# Altium PCB Copy of PCB1.PcbDoc (part 2 of 2)
Units mil, origin at the board's own origin, x right, y up, seen from the top; angles counter-clockwise.
Board outline 3937.01 x 1968.5 mil, 4 copper layers (Top Layer, Layer 1, Layer 2, Bottom Layer), stack 63.78 mil thick; 235 components, 132 nets, 1060 pads, 9 vias.
Unrouted connection lines stored in the file: 147.
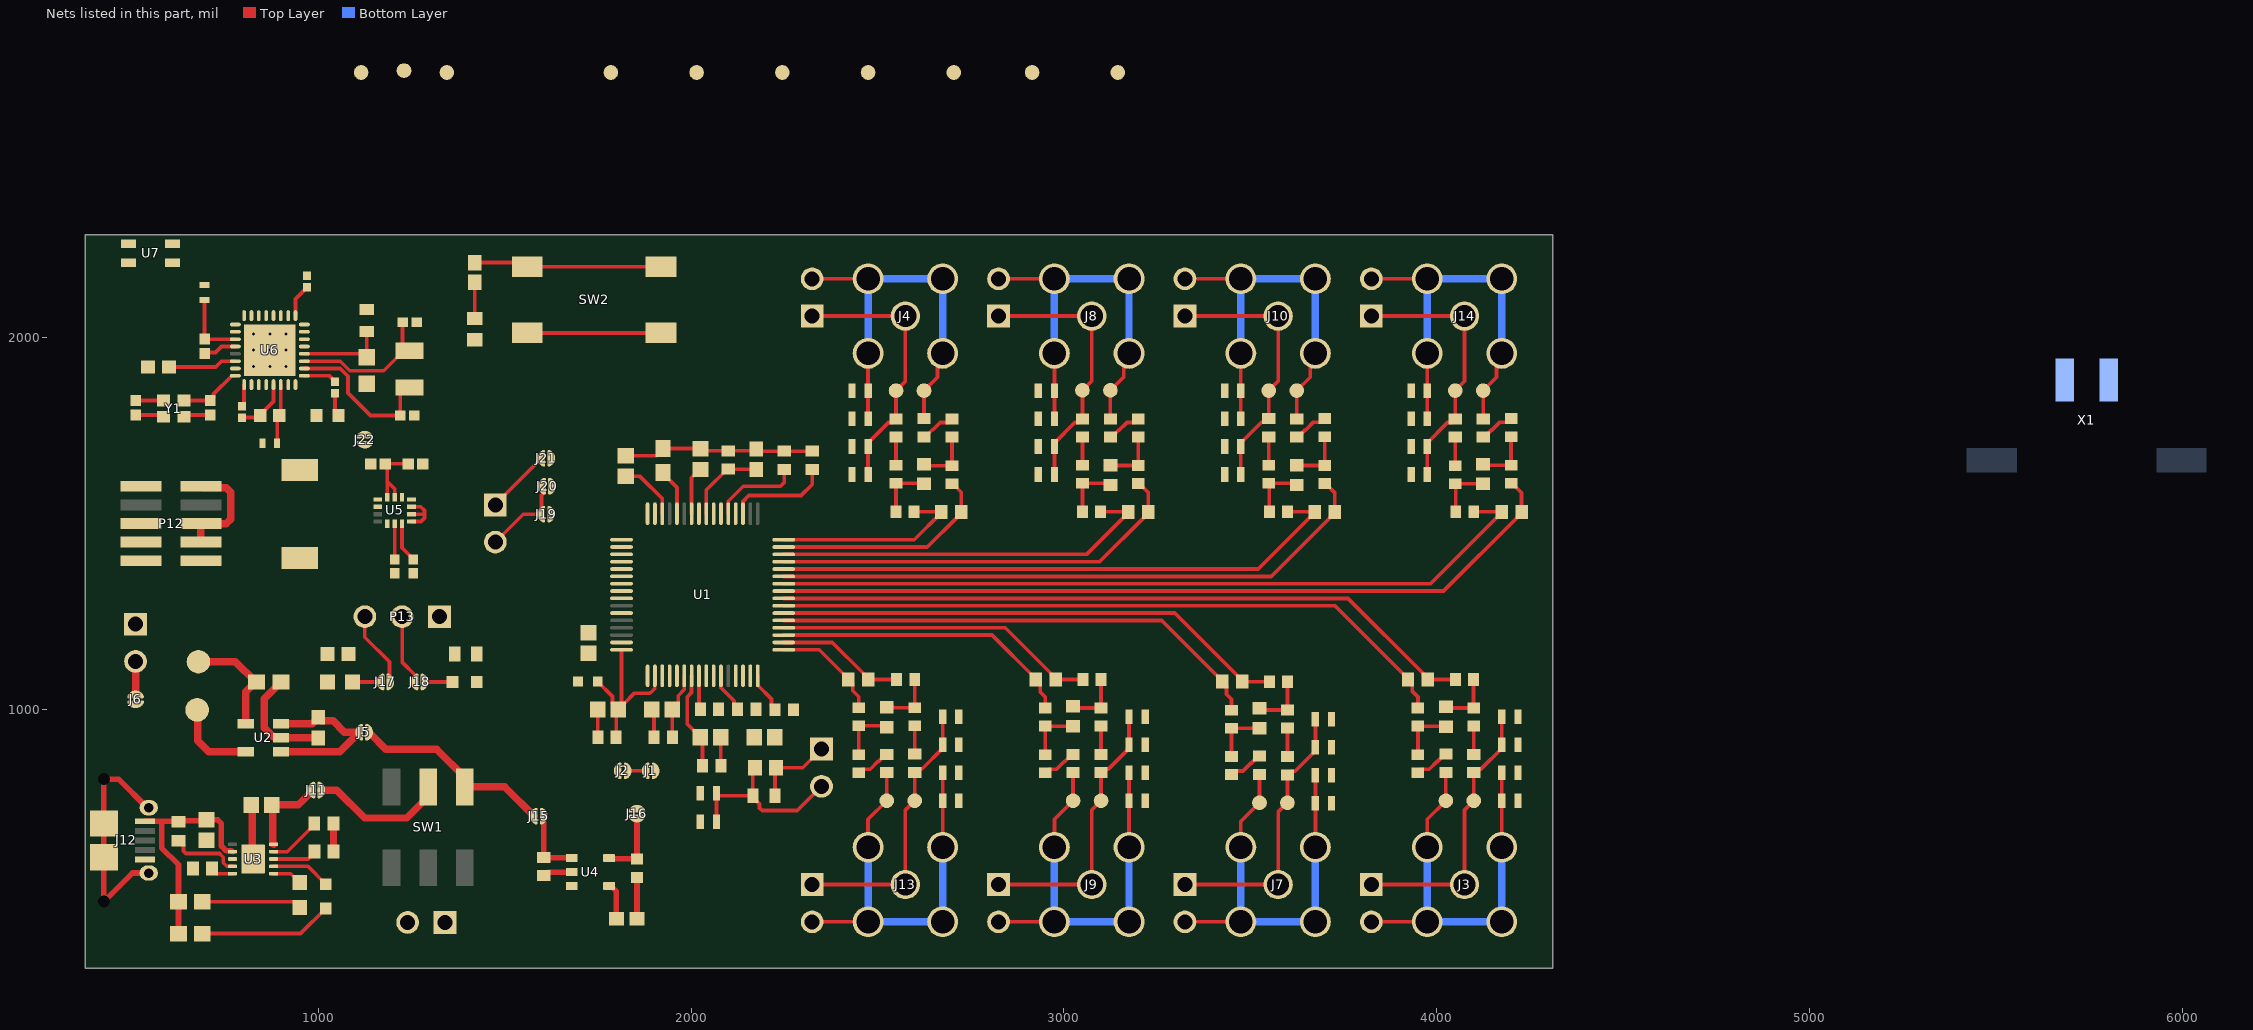
[diagram p2: the nets of this part, all layers, seen from the top]

## Part data (continued)
L3: library part CMP-06042-004948-1, "Wire Wound RF Inductor for Automotive 15nH ±5% 1150mA 0.114Ω 0402 (1005)", Case Code (Imperial)=0402, Case Code (Metric)=1005, Current Rating=1.15A, DC Resistance (DCR)=114mR, Max Operating Temperature=125°C, Min Operating Temperature=-55°C, Ratings=AEC-Q200, Resistor Type=Wirewound, Self Resonant Frequency=5.5GHz, Test Frequency=100MHz, Tolerance=5%, Case/Package=0402, Core Material=Non-Magnetic, Inductance=15nH, Mount="Surface Mount", Packaging="Cut Tape", Shielding=Unshielded
L4: library part CMP-2000-07145-1, "Shielded Power Inductor, 10 uH, +/- 20%, -40 to 125 degC, 2-Pin SMD, RoHS, Tape and Reel", Current - Saturation=1.5A, Current Rating=1.1A, DC Resistance (DCR)=120mOhmMax, Frequency - Self Resonant=25MHz, Frequency - Test=1kHz, Inductance=10µH, Manufacturer=Bourns, Operating Temperature=-40°C~125°C, Package / Case=Nonstandard, Package Description="2-Pin Surface Mount Device, Body 6.5 x 6.5 mm", Package Reference=SRR00603, Q @ Freq=16@2.52MHz, Standard Package=1,000, Tolerance=±20%, 3D Model=SRR0603.stp, Category=Inductors,Coils,Chokes, Datasheet URL=http://www.bourns.com/docs/Product-Datasheets/SRR0603.pdf, Datasheet Version=09/2011, EDA / CAD Models=DownloadfromAcceleratedDesigns, Family=FixedInductors, Height - Seated (Max)="0.130\"(3.30mm)", Manufacturer URL=http://www.bourns.com/, Material - Core=Ferrite, Mounting Technology=SurfaceMount, Mounting Type=SurfaceMount, Online Catalog=SRRSeries, Other Names="SRR0603-100MLTR / SRR0603100ML", Packaging=Tape&Reel(TR), PCN Assembly/Origin=MagneticproductsOct/2013, Product Training Modules=MagneticProductOverview, RoHS Information=SRR0603SeriesMaterialDeclaration, Series=SRR0603, Shielding=Shielded, Size / Dimension="0.256\"Lx0.256\"W(6.50mmx6.50mm)", Type=Wirewound
P1 P2 P3 P4 P5 P6 P7 P8 P9 P10 P11: library part CMP-1681-00004-4, "Male Header, Pitch 2.54 mm, 1 x 2 Position, Height 8.38 mm, Tail Length 2.54 mm, -55 to 125 degC, RoHS, Bulk", Colour=Black, Manufacturer=Samtec, Max Operating Temperature="125 degC", Min Operating Temperature="-55 degC", Package Quantity=1, ComponentLink1Description="Manufacturer URL", ComponentLink1URL=http://www.samtec.com/, ComponentLink2Description=Datasheet, ComponentLink2URL=http://suddendocs.samtec.com/catalog_english/tsw_th.pdf, Contact Finish=Gold, Contact Material=Bronze, Contact Plating=Gold, DatasheetVersion=12/2015, Height="8.38 mm", Lead Pitch="0.1 inch", Length="5.08 mm", Mount="Through Hole", Mounting Technology="Through Hole", PackageDescription="Male Header, Pitch 2.54 mm, 1 x 2 Position, Height 8.38 mm, Tail Length 2.54 mm", PackageReference=TSW-102-07-S-S, Packaging=Bulk, Pins=2, REACH SVHC="No SVHC", RoHSCompliant=true, Rows=1
P12: library part CMP-2000-05352-1, "Male Header, Pitch 1.27 mm, 2 x 5 Position, Height 6.12 mm, RoHS, Tube", Color=Black, Manufacturer=Samtec, Package Description="Male Header, Pitch 1.27 mm, 2 x 5 Position, Height 5.97 mm, Tail Length 4.32 mm", Package Reference=FTSH-105-01-L-DV-K, Category=Connectors,Interconnects, Connector Type=Header,Shrouded, Contact Finish=Gold, Contact Finish Thickness=3µin(0.08µm), Contact Mating Length="0.120\"(3.05mm)", Contact Type=MalePin, Datasheet URL=http://suddendocs.samtec.com/prints/ftsh-1xx-xx-xxx-dv-xxx-mkt.pdf, Datasheet Version="Rev. ET, 10/1995", Family=RectangularConnectors-Headers,MalePins, Fastening Type=-, Features=-, Manufacturer URL=http://www.samtec.com/, Mounting Type=SurfaceMount, Number of Positions=10, Number of Positions Loaded=All, Number of Rows=2, Package URL=http://suddendocs.samtec.com/prints/ftsh-1xx-xx-xxx-dv-xxx-footprint.pdf, Packaging=Tube, Pitch="0.050\"(1.27mm)", Row Spacing="0.050\"(1.27mm)", Series=FTSH, Termination=Solder
P13: library part CMP-1024-00332-1, "0.025\" SQ Post Header, Through-hole, Vertical, -55 to 105 degC, 2.54 mm Pitch, 3-Pin, Male, RoHS", Manufacturer=Samtec, PartNumber=TSW-103-07-T-S, Temperature Range="-55 to 105 degC", ComponentLink1Description="Manufacturer URL", ComponentLink1URL=http://www.samtec.com, ComponentLink2Description=Datasheet, ComponentLink2URL=http://www.samtec.com/documents/webfiles/pdf/TSW_TH.PDF, ComponentLink3Description="Package Specification", ComponentLink3URL=http://www.samtec.com/documents/webfiles/cpdf/TSW-XXX-XX-XXX-X-XX-XXX-MKT.pdf, DatasheetVersion=F-214, Mounting Technology=Through-hole, Orientation=Vertical, PackageDescription=".025[0.64] SQ. Post Terminal Strip Assembly", PackageReference=TSW-103-07-X-S, PackageVersion="DM, 8/1988", Pitch="2.54 mm", RoHS=True
P14: library part CMP-1024-00327-1, "0.025\" SQ Post Header, Through-hole, Vertical, -55 to 125 degC, 2.54 mm Pitch, 2-Pin, Male, RoHS", Manufacturer=Samtec, PartNumber=TSW-102-26-G-S, Temperature Range="-55 to 125 degC", ComponentLink1Description="Manufacturer URL", ComponentLink1URL=http://www.samtec.com, ComponentLink2Description=Datasheet, ComponentLink2URL=http://www.samtec.com/documents/webfiles/pdf/TSW_TH.PDF, ComponentLink3Description="Package Specification", ComponentLink3URL=http://www.samtec.com/documents/webfiles/cpdf/TSW-XXX-XX-XXX-X-XX-XXX-MKT.pdf, DatasheetVersion=F-214, Mounting Technology=Through-hole, Orientation=Vertical, PackageDescription=".025[0.64] SQ. Post Terminal Strip Assembly", PackageReference=TSW-102-26-XX-S, PackageVersion="DM, 8/1988", Pitch="2.54 mm", RoHS=True
R1 R2 R3 R4 R5 R6 R7 R8 R9 R10 R11 R12 R14 R15 R16 R17 R18 R19 R20 R21 R22 R23 R24 R25 R26 R27 R28 R29 R30 R31 R32 R33: library part CMP-2000-03820-2, "RES Thick Film, 100kΩ, 1%, 0.1W, 100ppm/°C, 0603", Case Code (Imperial)=0603, Case Code (Metric)=1608, Max Operating Temperature=155°C, Max Power Dissipation=100mW, Min Operating Temperature=-55°C, Package Quantity=10, Resistance=100kR, Temperature Coefficient=100ppm/°C, Tolerance=1%, Voltage Rating=75V, Case/Package=0603, Composition="Thick Film", Contact Plating=Tin, Depth=0.85mm, Features="Automotive AEC-Q200", Height=0.45mm, Lead Free="Lead Free", Length=1.55mm, Military Standard=Not, Number of Pins=2, Number of Terminations=2, Packaging="Tape and Reel", Power Rating=100mW, Radiation Hardening=No, Termination=SMD/SMT, Voltage Rating (DC)=75V, Weight=7.1E-05oz, Width=0.033inch
R13: library part CMP-2000-03013-2, "RES Thick Film, 1MΩ, 1%, 0.1W, 100ppm/°C, 0603", Case Code (Imperial)=0603, Case Code (Metric)=1608, Max Operating Temperature=155°C, Max Power Dissipation=100mW, Min Operating Temperature=-55°C, Package Quantity=10, Resistance=1MR, Temperature Coefficient=100ppm/°C, Tolerance=1%, Voltage Rating=75V, Case/Package=0603, Composition="Thick Film", Contact Plating=Tin, Depth=0.85mm, Features="Automotive AEC-Q200", Height=0.45mm, Lead Free="Lead Free", Length=1.55mm, Military Standard=Not, Mount="Surface Mount", Number of Pins=2, Number of Terminations=2, Packaging="Tape and Reel", Power Rating=100mW, Radiation Hardening=No, Termination=SMD/SMT, Voltage Rating (DC)=75V, Weight=7.1E-05oz, Width=0.85mm
R34 R35: library part CMP-2000-03216-2, "RES Thick Film, 300Ω, 1%, 0.1W, 100ppm/°C, 0603", Case Code (Imperial)=0603, Case Code (Metric)=1608, Max Operating Temperature=155°C, Max Power Dissipation=100mW, Min Operating Temperature=-55°C, Package Quantity=10, Temperature Coefficient=100ppm/°C, Tolerance=1%, Voltage Rating=75V, Case/Package=0603, Composition="Thick Film", Contact Plating=Tin, Depth=0.85mm, Features="Automotive AEC-Q200", Height=0.45mm, Lead Free="Lead Free", Length=1.55mm, Military Standard=Not, Mount="Surface Mount", Number of Terminations=2, Packaging="Tape and Reel", Power Rating=100mW, Radiation Hardening=No, Resistance=300R, Termination=SMD/SMT, Voltage Rating (DC)=75V, Weight=7.1E-05oz, Width=0.033inch
R36 R37 R38 R39: library part CMP-1666-00005-4, "Chip Resistor, 10 KOhm, +/- 1%, 100 mW, -55 to 155 degC, 0603 (1608 Metric), RoHS, Tape and Reel", Manufacturer="Vishay Semiconductor", Max Operating Temperature="155 degC", Min Operating Temperature="-55 degC", Package Quantity=5000, Voltage Rating="75 V", ComponentLink1Description="Manufacturer URL", ComponentLink1URL=http://www.vishay.com/, ComponentLink2Description=Datasheet, ComponentLink2URL=https://datasheet.ciiva.com/11809/0900766b80d98afc-11809037.pdf, DatasheetVersion=06/2012, Height="0.45 mm", Length="1.55 mm", Mounting Technology="Surface Mount", PackageDescription="2-Pin Surface Mount Device, Body 1.575 x 0.85 mm", PackageReference=0603, Packaging="Tape and Reel", REACH SVHC=Unknown, RoHSCompliant=true
R40 R41: library part CMP-2002-07995-1, Manufacturer="Yageo / Phycomp", Part Number=RC0402JR-073K3L
R42: library part CMP-1012-00881-1, "2M 0.1W 1% 0603 (1608 Metric)  SMD", Case-EIA=0603, Case-Metric=1608, Power="0.1 W", Tolerance="1 %", Technology=SMT
R43: library part CMP-2000-03013-2, "RES Thick Film, 1MΩ, 1%, 0.1W, 100ppm/°C, 0603", Case Code (Imperial)=0603, Case Code (Metric)=1608, Max Operating Temperature=155°C, Max Power Dissipation=100mW, Min Operating Temperature=-55°C, Package Quantity=10, Temperature Coefficient=100ppm/°C, Tolerance=1%, Voltage Rating=75V, Case/Package=0603, Composition="Thick Film", Contact Plating=Tin, Depth=0.85mm, Features="Automotive AEC-Q200", Height=0.45mm, Lead Free="Lead Free", Length=1.55mm, Military Standard=Not, Mount="Surface Mount", Number of Pins=2, Number of Terminations=2, Packaging="Tape and Reel", Power Rating=100mW, Radiation Hardening=No, Resistance=1MR, Termination=SMD/SMT, Voltage Rating (DC)=75V, Weight=7.1E-05oz, Width=0.85mm
R44: library part CMP-2000-03598-2, "RES Thick Film, 820Ω, 1%, 0.1W, 100ppm/°C, 0603", Case Code (Imperial)=0603, Case Code (Metric)=1608, Max Operating Temperature=155°C, Max Power Dissipation=100mW, Min Operating Temperature=-55°C, Package Quantity=10, Temperature Coefficient=100ppm/°C, Tolerance=1%, Voltage Rating=75V, Case/Package=0603, Composition="Thick Film", Contact Plating=Tin, Depth=0.85mm, Features="Automotive AEC-Q200", Height=0.45mm, Lead Free="Lead Free", Length=1.55mm, Military Standard=Not, Mount="Surface Mount", Number of Terminations=2, Packaging="Tape and Reel", Power Rating=100mW, Radiation Hardening=No, Resistance=820R, Termination=SMD/SMT, Voltage Rating (DC)=75V, Weight=7.1E-05oz, Width=0.033inch
R45: library part CMP-1659-00020-2, "Chip Resistor, 330 Ohm, +/- 1%, 0.1 W, -55 to 155 degC, 0603 (1608 Metric), RoHS, Tape and Reel", Capacitance="47 uF", Case Code (Imperial)=2917, Case Code (Metric)=7343, Max Operating Temperature=125degC, Min Operating Temperature=-55degC, Package Quantity=500, Tolerance=10%, Voltage Rating="16 V", Case/Package=2917, ComponentLink1Description="Manufacturer URL", ComponentLink1URL=http://www.yageo.com/, ComponentLink2Description=Datasheet, ComponentLink2URL=http://www.yageo.com/documents/recent/PYu-RC_Group_51_RoHS_L_04.pdf, DatasheetVersion="Rev. 4, 02/2016", Esr="800 mohm", Height="3.1 mm", Length="7.3 mm", Mount="Surface Mount", PackageDescription="2-Pin Surface Mount Device, Body 1.6 x 0.8 mm", PackageReference=0603, Packaging="Tape and Reel", Pins=2, Radiation Hardening=No, REACH SVHC="No SVHC", RoHSCompliant=True, Voltage Rating (DC)="16 V", Width="4.3 mm"
R46: library part CMP-2000-00705-1, Manufacturer=Panasonic, Part Number=ERJ-3GEYJ104V
SW1: library part CMP-2000-05087-2, "SWITCH SLIDE DPDT 300MA 6V", Contact Current Rating=300mA, Contact Resistance=70mR, Flammability Rating="UL94 V-2", Max Operating Temperature=85°C, Max Voltage Rating (DC)=6V, Min Operating Temperature=-20°C, Package Quantity=1, Actuator Length=2mm, Actuator Material=Nylon, Actuator Type=Standard, Contact Material="Copper Alloy", Contact Plating=Silver, Current Rating=300mA, Depth=7.5mm, Electrical Life=5000Cycles, Housing Material=Nylon, Lead Free="Lead Free", Length=9mm, Max Current Rating=300mA, Mount="Surface Mount", Orientation=Vertical, Packaging="Tape and Reel", Radiation Hardening=No, REACH SVHC="No SVHC", Switch Function=On-On, Switch Travel=2mm, Termination="Gull Wing", Throw Configuration=DPDT, Voltage Rating (DC)=6V
SW2: library part CMP-2000-05602-2, "Swicth, SPST, 24 V, -35 to 85 degC, 4-Pin SMD, RoHS, Tape and Reel", Case\/Package=SMD/SMT, Contact Current Rating=50mA, Contact Resistance=100mOhm, Manufacturer="TE Connectivity", Max Operating Temperature=85degC, Max Voltage Rating (DC)=12V, Min Operating Temperature=-35degC, Operating Force=1.57N, Package Description="4-Pin Surface Mount Device, Body 6 x 6 mm, Pitch 4.5 mm", Package Quantity=750, Voltage Rating=24V, Actuator Length=0.055inch, Actuator Material=Polyamide, Contact Material=CopperAlloy, Contact Plating=Silver, Current Rating=50mA, Datasheet URL=http://www.te.com/commerce/DocumentDelivery/DDEController?Action=showdoc&DocId=Customer+Drawing%7F2-1437565-7%7FV%7Fpdf%7FEnglish%7FENG_CD_2-1437565-7_V.pdf%7F4-1437565-2, Datasheet Version="Rev. V, 02/2015", Electrical Life=100000Cycles, Illumination Type=Illuminated, Length=6mm, Manufacturer URL=http://www.te.com/, Mechanical Life=100000Cycles, Mount=SurfaceMount, Mounting Technology=SurfaceMount, Orientation=Straight, Package Reference=FSM4JSMA, Packaging=LoosePiece, REACH SVHC=Unknown, RoHSCompliant=true, Switch Travel=0.25mm, Termination=GullWing, Throw Configuration=SPST, Voltage Rating (DC)=24V, Width=6mm
U1: library part CMP-0003-00595-1, "8-Channel, 24-Bit ADC with Integrated ECG Front End, -40 to 85 degC, 64-pin QFP (PAG64), Green (RoHS & no Sb/Br)", Analog Voltage AV/DD(Max)(V)=5.25, Analog Voltage AV/DD(Min)(V)=2.7, Manufacturer="Texas Instruments", # Input Channels=8, Architecture=Delta-Sigma, Code_JEDEC=MS-026, ComponentLink1Description="Manufacturer URL", ComponentLink1URL=http://www.ti.com/, ComponentLink2Description=Datasheet, ComponentLink2URL=http://www.ti.com/general/docs/lit/getliterature.tsp?genericPartNumber=ADS1298&fileType=pdf, ComponentLink3Description="Package Specification", ComponentLink3URL=http://www.ti.com/lit/ml/mtqf006a/mtqf006a.pdf, DatasheetVersion=SBAS459I, Digital Supply(Max)(V)=3.6, Digital Supply(Min)(V)=1.65, Eco-Plan="Green (RoHS & no Sb/Br)", Interface="Serial SPI", Mounting Technology="Surface Mount", PackageDescription="64-Pin Plastic Flat Pack, Body 10 x 10 mm, Pitch 0.50 mm", PackageReference=PAG64, PackageVersion="4040282/C, 11/1996", PartNumber=ADS1298IPAG, Resolution(Bits)=24, Sample Rate (max)(SPS)=32K, SNR(dB)=112, SubFamily="Precision ADC (<=10MSPS)"
U2: library part CMP-01269-1, "IC REG BUCK 1.8V 0.2A SYNC SOT25", Case/Package=SOT-25-5, Max Input Voltage=6V, Max Operating Temperature=85°C, Min Input Voltage=2V, Min Operating Temperature=-40°C, Min Output Voltage=1.8V, Output Current=200mA, Mount="Surface Mount", Number of Outputs=1, Output Configuration=Positive, Output Type=Fixed, Packaging="Tape and Reel", Synchronous Rectifier=Yes
U3: library part CMP-0063-00780-3, "Dual Source USB/AC Li Chemistry Charger IC for Portable Applications, 10-pin LLP, Pb-Free", Manufacturer="Texas Instruments", PackageTopMarking=ZXYTT*L111B, PowerWise=N, ComponentLink1Description="Datasheet URL", ComponentLink1URL=http://www.ti.com/general/docs/lit/getliterature.tsp?genericPartNumber=LM3658&fileType=pdf, CompType=MiscPower, PackageDescription="LLP, Plastic, Dual, 3 x 3 x 0.8mm Body, 10 Lead, 0.5mm Pitch, No Pullback", PackageReference=DSC0010A, PinCount=10, RoHS=Y
U4: library part CMP-0394-01068-2, "Single Output High PSRR LDO, 200 mA, Fixed 2.8 V Output, 2.7 to 6.5 V Input, with Low IQ, 5-pin SOT (DDC), -40 to 85 degC, Green (RoHS & no Sb/Br)", Manufacturer="Texas Instruments", Rating=Catalog, Accuracy(%)=2, Code_JEDEC=MO-193, ComponentLink1Description="Manufacturer URL", ComponentLink1URL=http://www.ti.com/, ComponentLink2Description=Datasheet, ComponentLink2URL=http://www.ti.com/general/docs/lit/getliterature.tsp?genericPartNumber=TPS79928&fileType=pdf, ComponentLink3Description="Package Specification", ComponentLink3URL=http://www.ti.com/litv/pdf/mpds123d, DatasheetVersion=SBVS056J, Eco-Plan="Green (RoHS & no Sb/Br)", Fixed Output Options(V)=2.8, Iout(Max)(A)=0.2, Iq(Typ)(mA)=0.04, Mounting Technology="Surface Mount", PackageDescription="5-Pin Plastic Small Outline, Body 2.9 x 1.6 mm, 0.95 mm Pitch", PackageReference=DDC0005A, PackageVersion=4204403-2/E, PartNumber=TPS79928DDCR, SubFamily="Single Channel LDO", Vdo(Typ)(mV)=100, Vin(Max)(V)=6.5, Vin(Min)(V)=2.7, Vout Adj(Max)(V)=2.8, Vout Adj(Min)(V)=2.8
U5: library part CMP-01266-1, "Accelerometer, Gyroscope, Magnetometer, 9 Axis Sensor I²C, SPI Output", Case/Package=LGA, Max Operating Temperature=85°C, Min Operating Temperature=-40°C, Mount="Surface Mount", Number of Pins=14, Output Type=SPI,I2C, Packaging="Tape and Reel", Sensor Type="Accelerometer,Gyroscope,Magnetometer,3 Axis"
U6: library part CMP-2000-07522-1, "High performance, entry-level Bluetooth 5/ANT/2.4GHz SoC, 1.7 to 3.6 V, -40 to 85 degC, 32-Pin QFN, RoHS, Tape and Reel", Manufacturer="Nordic Semiconductor", Package Description="32-Pin Quad Flat No-lead Package, Body 5 x 5 mm, Pitch 0.5 mm", Package Reference=QFN-32, Datasheet URL=http://infocenter.nordicsemi.com/pdf/nRF52810_PS_v1.0.pdf, Datasheet Version="Rev. 1.0, 09/2017", Manufacturer URL=http://www.nordicsemi.com/eng/Products/, Mounting Technology=SurfaceMount, RoHSCompliant=false
U7: library part CMP-2000-05543-1, "Chip RF Antenna, 2.4 to 2.5 GHz, -40 to 125 degC, 4-Pin SMD, RoHS, Tape and Reel", Frequency (Center/Band)=2.4GHz, Frequency Group=UHF(2GHz~3GHz), Frequency Range=2.4GHz~2.5GHz, Manufacturer="Johanson Technology", Package Description="4-Pin Surface Mount Device, Body 3.2 x 1.6 mm", Power - Max=2W, Standard Package=3,000, Antenna Type=Chip, Applications=-, Category=RF/IFandRFID, Datasheet URL=http://www.johansontechnology.com/datasheets/antennas/2450AT18D0100.pdf, Datasheet Version="Rev. 3.0, 09/2015", Family=RFAntennas, Features=-, Gain=1.5dBi, Height (Max)="0.047\"(1.20mm)", Ingress Protection=-, Manufacturer URL=https://www.johansontechnology.com/, Mounting Technology=SurfaceMount, Mounting Type=SurfaceMount, Number of Bands=1, Online Catalog=JohansonTechnologyInc-Embedded, Other Names=712-1573-2, Package Reference=2450AT18D0100E, Packaging=Tape&Reel(TR), Return Loss=-10dB, Series=-, Termination=Solder, VSWR=-
X1: library part CMP-00813-1, "Headers & Wire Housings R/A HDR SMT 2P GOLD w/Fitting Nail", Colour=Black, Current Rating=5A, Flammability Rating="UL94 V-0", Housing Colour=White, Insulation Resistance=1GR, Manufacturer=Molex, Max Current Rating=500mA, Max Operating Temperature=105°C, Max Voltage Rating (AC)=50V, Min Operating Temperature=-40°C, Package Quantity=2880, Supplier Part Number=WM1895CT-ND, Voltage Rating=250V, ComponentLink1Description=0436500213-pcb-headers-16737124.pdf, ComponentLink1URL=https://datasheet.ciiva.com/16737/0436500213-pcb-headers-16737124.pdf, ComponentLink2Description=1629616-6082918.pdf, ComponentLink2URL=https://datasheet.ciiva.com/6082/1629616-6082918.pdf, ComponentLink3Description=1443567-19461270.pdf, ComponentLink3URL=https://datasheet.ciiva.com/19461/1443567-19461270.pdf, ComponentLink4Description=62390436500213-pcb-headers-30187856.pdf, ComponentLink4URL=https://datasheet.ciiva.com/30187/62390436500213-pcb-headers-30187856.pdf, ComponentLink5Description=0436500213-pcb-headers-168466-5150659.pdf, ComponentLink5URL=https://datasheet.ciiva.com/5150/0436500213-pcb-headers-168466-5150659.pdf, ComponentLink6Description=0900766b80d6135b-11748820.pdf, ComponentLink6URL=https://datasheet.ciiva.com/11748/0900766b80d6135b-11748820.pdf, ComponentLink7Description=04402316-26310746.pdf, ComponentLink7URL=https://datasheet.ciiva.com/26310/04402316-26310746.pdf, ComponentLink8Description=1788870-46416407.pdf, ComponentLink8URL=https://datasheet.ciiva.com/46416/1788870-46416407.pdf, Contact Material=Bronze,Brass,Tin, Contact Plating=Nickel,Gold, Depth=5.4mm, Gender=Male, Glow Wire Compliant=Compliant, Halogen Free="Low Halogen", Height=2.27mm, Housing Material=Thermoplastic, Lead Free="Lead Free", Length=13.8mm, Manufacturer Part Number=43650-0213, Mount="Surface Mount", Number of Circuits=2, Number of Contacts=2, Number of Positions=2, Number of Rows=1, Orientation="Right Angle", Packaging="Tape and Reel", Pitch=3mm, REACH SVHC=Unknown, Supplier=Digi-Key, Termination=Solder, Voltage Rating (DC)=250V
Y1: library part CMP-06858-000005-1, "CRYSTAL 32.0000MHZ 10PF SMD", Case/Package=SMD/SMT, ESR (Equivalent Series Resistance)=100R, Frequency Stability=10ppm, Load Capacitance=10pF, Max Operating Temperature=70°C, Min Operating Temperature=-20°C, Package Quantity=3000, Contact Plating=Gold, Frequency=32MHz, Frequency Tolerance=10ppm, Height=0.022inch, Length=0.079inch, Mount="Surface Mount", Packaging="Tape and Reel", Series Resistance=100R, Termination=SMD/SMT, Tolerance=10ppm, Width=0.063inch
Y2: library part CMP-40224-000012-1, "CRYSTAL 32.768KHZ 7PF SMD", Load Capacitance=7pF, Manufacturer="ECS Inc.", Manufacturer Part Number=ECS-.327-7-34R-TR, Package=ECX-34R, Temperature="-40°C to +85°C", Temperature Range High=+85°C, Temperature Range Low=-40°C, Tolerance=20ppm, Automotive=No, Category=Crys, ComponentLink2Description=Datasheet, ComponentLink2URL=http://www.ecsxtal.com/store/pdf/ECX_34R.pdf, Device Class L1="Passive Components", Device Class L2="Crystals / Oscillators", Device Class L3=Crystals, Digikey Description="CRYSTAL 32.768KHZ 7PF SMD", Esr=50kΩ, Frequency=32.768kHz, Height=0.9mm, Lead Free=Yes, Mouser Description="Crystals 32.768kHz 7pF 20ppm", Octopart=https://octopart.com/ecs-.327-7-34r-tr-ecs+international-71119730, RoHS=TRUE, Series=ECX-34R

## Via types
v1: diameter 19.68, hole 7.87, Top Layer to Bottom Layer, 9 vias

## Nets (pads, with @x,y where several pads share a name; then routed paths per layer and width w, separated by ;. In a path a pad name is that pad's centre, name@x,y a point inside that pad or via, vN(x,y) a via of type N, cw(c..) or ccw(c..) an arc to the next point about the centre after c; other vN are vias at no path point)
AGND: C9.1 C15.1 C16.2 C17.1 C18.2 C19.1 C20.1 C21.2 C42.1 C43.1 C44.1 C45.1 C46.1 C47.1 C48.1 C49.1 C50.1 C51.1 C52.2 C53.2 C54.1 C55.1 C56.2 C57.2 C58.2 C59.1 C60.1 C61.2 C62.2 C63.1 C64.2 C65.1 C66.1 C67.2 C68.1 C69.1 C70.1 C71.2 C72.1 D1.2 D3.2 D4.2 D5.2 D6.2 D11.2 D12.2 D13.2 D14.2 D19.2 D20.2 D21.2 D22.2 D27.2 D28.2 D29.2 D30.2 J2.1 J12.5 J12.Shell P9.2 P12.3 P12.5 P12.9 P13.1 R37.1 R38.1 R39.1 R43.2 SW2.3 SW2.4 U1.20 U1.23 U1.25 U1.31 U1.32 U1.33 U1.41 U1.49 U1.51 U1.53 U1.57 U1.58 U2.2 U3.3 U3.11 U4.2 U5.1 U5.2 U5.3 U5.6 U5.7 U6.20 U6.29 U6.33 U7.2 U7.3 U7.4 X1.2 Y1.2 Y1.4 | length 3683.9
  Top Layer w10: C59.1@510,1830 Y1.4@585,1830 ; Y1.2@640.12,1786.69 644.84,1791.42 C60.1@710,1791.42 ; C65.1@695,1956.42 697.42,1958.84 724.17,1958.84 740.18,1974.84 U6.20@777.48,1974.84 ; C70.1@795,1784.29 838.11,1784.29 C68.1@843.82,1790 843.82,1790.98 879.84,1827.01 U6.29@879.84,1872.48 ; C66.1@1045,1849.65 1045,1799.06 C71.2@1054.06,1790 ; U5.7@1185.32,1570.43 1185.32,1612.56 ; U5.6@1205,1570.43 1205,1592.87 1185.32,1612.56 ; C63.1@1241.42,1660 C64.2@1180,1660 1185.32,1654.68 1185.32,1612.56 ; U5.1@1250.28,1505.47 1275.47,1505.47 1285,1515 1285,1525 ; U5.2@1250.28,1525.16 1284.84,1525.16 1285,1525 ; U5.3@1250.28,1544.84 1275.16,1544.84 1285,1535 1285,1525 ; C72.1@1420,2200 1549.45,2200 SW2.4@1560.87,2188.58 SW2.3@1919.13,2188.58 ; C49.1@1750,926.5 C48.1@1750,1001.5 ; C17.1@1825,1681.61 1907.99,1681.61 1925,1698.62 C21.2@1925,1701.5 2023.62,1701.5 C20.1@2025,1700.12 2030.12,1695 C15.1@2100,1695 2169.73,1695 C16.2@2175,1700.27 2181.05,1694.21 C43.1@2250,1694.21 C42.1@2325,1694.21 ; C46.1@1894.88,1001.5 1900.79,995.59 C47.1@1900.79,926.5 ; C18.2@2080,850 2080,926.38 C19.1@2080.12,926.5
  Top Layer w15: J12.Shell@545.28,562.4 501.77,562.4 J12.Shell@425,485.63 J12.Shell@425,604.72 J12.Shell@425,695.28 J12.Shell@425,814.37 464.57,814.37 541.34,737.6 J12.Shell@545.28,737.6 ; C56.2@1605,555.39 1607.95,555.39 1617.56,565 U4.2@1679.8,565 ; C57.2@1855,440 C58.2@1855,550.65
  Top Layer w20: P12.3@685.24,1450 P12.5@685.24,1500 753.52,1500 765.24,1511.72 765.24,1583.72 753.52,1595.43 689.8,1595.43 P12.9@685.24,1600 ; C55.1@819.88,745 822.44,742.44 822.44,602.56 U3.11@825,600 ; C52.2@900,1075 897.13,1075 887.2,1065.08 887.2,1062.2 855,1030 855,951.72 878.92,927.8 897.2,927.8 U2.2@900,925 C53.2@1000,925 ; R39.1@1040.59,695 1040.89,694.7 1040.89,620.3 R38.1@1041.18,620 ; P9.2@1240,430 P9.2@1240,441.1
  other v1: 826.69,1921.69 870,1921.69 913.31,1921.69 826.69,1965 870,1965 913.31,1965 826.69,2008.31 870,2008.31 913.31,2008.31
Antenna: L2.2 TP3.1 U7.1
AVCC: C42.2 C43.2 C44.2 C45.2 C46.2 C47.2 C50.2 C51.2 D2.1 D7.1 D8.1 D9.1 D10.1 D15.1 D16.1 D17.1 D18.1 D23.1 D24.1 D25.1 D26.1 D31.1 D32.1 D33.1 D34.1 FB1.2 J1.2 J16.2 U1.19 U1.21 U1.22 U1.54 U1.56 U1.59 | length 897.7
  Top Layer w10: C47.2@1950,926.5 C46.2@1950,1001.5 1965.67,1017.17 1965.67,1038.15 1981.89,1054.37 U1.54@1981.89,1091.46 ; U1.56@2021.26,1091.46 2021.26,1005.24 C44.2@2025,1001.5 ; U1.59@2080.31,1091.46 2080.31,1059.69 2115.24,1024.76 2115.24,1011.26 C45.2@2125,1001.5 ; U1.21@2100,1526.5 2100,1560 2140,1600 2240,1600 2250,1610 C43.2@2250,1645 ; U1.19@2139.37,1526.5 2139.37,1559.37 2155,1575 2295,1575 2325,1605 C42.2@2325,1645 C42.2@2322.05,1645
INT1: TP7.1 U5.4 U6.11
INT2: J22.2 U5.9
Net*1_1: *1.1 C1.1 D6.1 D10.2 J4.1 P3.1 | length 722.6
  Top Layer w10: P3.1@2325,2056.5 J4.1@2575,2056.5 2575,1881.5 *1.1@2550,1856.5 C1.1@2550,1780.71 2540.24,1770.94 2529.61,1770.94 2475,1716.34 D6.1@2475,1706.5 D10.2@2475,1631.5
Net*7_1: *7.1 C4.1 D5.1 D9.2 J4.2 J4.3 J4.4 J4.5 P3.2 | length 1120.7
  Top Layer w10: P3.2@2325,2156.5 J4.5@2475,2156.5 ; D5.1@2475,1781.5 D9.2@2475,1856.5 J4.2@2475,1956.5 ; C4.1@2625,1781.5 *7.1@2625,1856.5 2661.09,1892.59 2661.09,1942.59 J4.3@2675,1956.5
  Bottom Layer w20: J4.2@2475,1956.5 J4.5@2475,2156.5 J4.4@2675,2156.5 J4.3@2675,1956.5
Net*14_1: *14.1 C5.1 D14.1 D18.2 J8.1 P6.1 | length 722.6
  Top Layer w10: P6.1@2825,2056.5 J8.1@3075,2056.5 3075,1882.28 *14.1@3050,1857.28 C5.1@3050,1780.71 3040.24,1770.94 3029.61,1770.94 2975,1716.34 D14.1@2975,1706.5 D18.2@2975,1631.5
Net*19_1: *19.1 C8.1 D13.1 D17.2 J8.2 J8.3 J8.4 J8.5 P6.2 | length 1121.5
  Top Layer w10: P6.2@2825,2156.5 J8.5@2975,2156.5 ; D13.1@2975,1781.5 D17.2@2975,1856.5 J8.2@2975,1956.5 ; C8.1@3125,1780.71 *19.1@3125,1857.28 3161.09,1893.38 3161.09,1942.59 J8.3@3175,1956.5
  Bottom Layer w20: J8.2@2975,1956.5 J8.5@2975,2156.5 J8.4@3175,2156.5 J8.3@3175,1956.5
Net*20_1: *20.1 C10.1 D22.1 D26.2 J10.1 P8.1 | length 722.4
  Top Layer w10: P8.1@3325,2056.5 J10.1@3575,2056.5 3575,1881.5 *20.1@3550,1856.5 C10.1@3550,1781.1 3540.24,1771.34 3530,1771.34 3475,1716.34 D22.1@3475,1706.5 D26.2@3475,1631.5
Net*21_1: *21.1 C13.1 D21.1 D25.2 J10.2 J10.3 J10.4 J10.5 P8.2 | length 1121.5
  Top Layer w10: P8.2@3325,2156.5 J10.5@3475,2156.5 ; D21.1@3475,1781.5 D25.2@3475,1856.5 J10.2@3475,1956.5 ; C13.1@3625,1780.71 *21.1@3625,1856.5 3661.09,1892.59 3661.09,1942.59 J10.3@3675,1956.5
  Bottom Layer w20: J10.2@3475,1956.5 J10.5@3475,2156.5 J10.4@3675,2156.5 J10.3@3675,1956.5
Net*22_1: *22.1 C22.1 D30.1 D34.2 J14.1 P11.1 | length 722.6
  Top Layer w10: P11.1@3825,2056.5 J14.1@4075,2056.5 4075,1881.5 *22.1@4050,1856.5 C22.1@4050,1780.71 4040.24,1770.94 4029.61,1770.94 3975,1716.34 D30.1@3975,1706.5 D34.2@3975,1631.5
Net*23_1: *23.1 C25.1 D29.1 D33.2 J14.2 J14.3 J14.4 J14.5 P11.2 | length 1121.5
  Top Layer w10: P11.2@3825,2156.5 J14.4@3975,2156.5 ; D29.1@3975,1781.5 D33.2@3975,1856.5 J14.5@3975,1956.5 ; C25.1@4125,1780.71 *23.1@4125,1856.5 4161.09,1892.59 4161.09,1942.59 J14.2@4175,1956.5
  Bottom Layer w20: J14.5@3975,1956.5 J14.4@3975,2156.5 J14.3@4175,2156.5 J14.2@4175,1956.5
Net*24_1: *24.1 C26.1 D4.1 D8.2 J3.1 P2.1 | length 747.2
  Top Layer w10: P2.1@3825,531.5 J3.1@4075,531.5 4075,731.5 *24.1@4100,756.5 C26.1@4100,831.5 4109.76,841.26 4119.61,841.26 4175,896.65 D4.1@4175,906.5 D8.2@4175,981.5
Net*25_1: *25.1 C29.1 D3.1 D7.2 J3.2 J3.3 J3.4 J3.5 P2.2 | length 1171.1
  Top Layer w10: P2.2@3825,431.5 J3.4@3975,431.5 ; J3.3@3975,631.5 3975,706.5 *25.1@4025,756.5 C29.1@4025,831.89 ; J3.2@4175,631.5 D7.2@4175,756.5 D3.1@4175,831.5
  Bottom Layer w20: J3.3@3975,631.5 J3.4@3975,431.5 J3.5@4175,431.5 J3.2@4175,631.5
Net*26_1: *26.1 C30.1 D12.1 D16.2 J7.1 P5.1 | length 741.2
  Top Layer w10: P5.1@3325,531.5 J7.1@3575,531.5 3575,725.79 *26.1@3600,750.79 C30.1@3600,825.79 3609.76,835.55 3620.39,835.55 3675,890.16 D12.1@3675,900 D16.2@3675,975
Net*27_1: *27.1 C33.1 D11.1 D15.2 J7.2 J7.3 J7.4 J7.5 P5.2 | length 1159.3
  Top Layer w10: P5.2@3325,431.5 J7.4@3475,431.5 ; J7.3@3475,631.5 3475,700.79 *27.1@3525,750.79 C33.1@3525,826.57 ; J7.2@3675,631.5 D15.2@3675,750 D11.1@3675,825
  Bottom Layer w20: J7.3@3475,631.5 J7.4@3475,431.5 J7.5@3675,431.5 J7.2@3675,631.5
Net*28_1: *28.1 C34.1 D20.1 D24.2 J9.1 P7.1 | length 747.2
  Top Layer w10: P7.1@2825,531.5 J9.1@3075,531.5 3075,731.5 *28.1@3100,756.5 C34.1@3100,831.5 3109.76,841.26 3119.61,841.26 3175,896.65 D20.1@3175,906.5 D24.2@3175,981.5
Net*29_1: *29.1 C37.1 D19.1 D23.2 J9.2 J9.3 J9.4 J9.5 P7.2 | length 1170.7
  Top Layer w10: P7.2@2825,431.5 J9.4@2975,431.5 ; J9.3@2975,631.5 2975,706.5 *29.1@3025,756.5 C37.1@3025,831.5 ; J9.2@3175,631.5 D23.2@3175,756.5 D19.1@3175,831.5
  Bottom Layer w20: J9.3@2975,631.5 J9.4@2975,431.5 J9.5@3175,431.5 J9.2@3175,631.5
Net*30_1: *30.1 C38.1 D28.1 D32.2 J13.1 P10.1 | length 747.6
  Top Layer w10: P10.1@2325,531.5 J13.1@2575,531.5 2575,731.5 *30.1@2600,756.5 C38.1@2600,832.28 2609.76,842.05 2620.39,842.05 2675,896.65 D32.2@2675,906.5 D28.1@2675,981.5
Net*31_1: *31.1 C41.1 D27.1 D31.2 J13.2 J13.3 J13.4 J13.5 P10.2 | length 1170.7
  Top Layer w10: P10.2@2325,431.5 J13.4@2475,431.5 ; J13.3@2475,631.5 2475,706.5 *31.1@2525,756.5 C41.1@2525,831.5 ; J13.2@2675,631.5 D27.1@2675,756.5 D31.2@2675,831.5
  Bottom Layer w20: J13.3@2475,631.5 J13.4@2475,431.5 J13.5@2675,431.5 J13.2@2675,631.5
NetC1_2: C1.2 R2.2 | length 75
  Top Layer w10: R2.2@2550,1656.5 C1.2@2550,1731.5
NetC2_1: C2.1 R3.1 U1.15 | length 604.4
  Top Layer w10: U1.15@2248.62,1436.93 2633.93,1436.93 2713.27,1516.27 2713.27,1519.76 C2.1@2725,1531.5 2725,1584 2702.5,1606.5 R3.1@2700,1606.5
NetC2_2: C2.2 R1.1 U1.16 | length 528.8
  Top Layer w10: U1.16@2248.62,1456.61 2598.94,1456.61 2671.85,1529.53 C2.2@2671.85,1531.5 R1.1@2598.46,1531.5
NetC3_1: C3.1 R3.2 R4.1 | length 154.3
  Top Layer w10: C3.1@2625,1659.65 2629.69,1654.95 R3.2@2700,1654.95 R4.1@2700,1732.27
NetC3_2: C3.2 R1.2 R2.1 | length 152.2
  Top Layer w10: R1.2@2550,1531.5 R2.1@2550,1608.04 2623.46,1608.04 C3.2@2625,1606.5
NetC4_2: C4.2 R4.2 | length 95.1
  Top Layer w10: C4.2@2625,1732.28 2627.95,1732.28 2647.4,1751.73 2648.93,1751.73 2668.45,1771.25 2690.53,1771.25 R4.2@2700,1780.72
NetC5_2: C5.2 R6.2 | length 75
  Top Layer w10: R6.2@3050,1656.5 C5.2@3050,1731.5
NetC6_1: C6.1 R7.1 U1.13 | length 1123.7
  Top Layer w10: U1.13@2248.62,1397.56 3096.13,1397.56 3214.84,1516.27 3214.84,1519.76 C6.1@3226.57,1531.5 3226.57,1583.19 3202.5,1607.27 R7.1@3200,1607.27
NetC6_2: C6.2 R5.1 U1.14 | length 1048.3
  Top Layer w10: U1.14@2248.62,1417.24 3061.14,1417.24 3173.43,1529.53 C6.2@3173.43,1531.5 R5.1@3098.46,1531.5
NetC7_1: C7.1 R7.2 R8.1 | length 151.9
  Top Layer w10: C7.1@3125,1656.5 3125.77,1655.72 R7.2@3200,1655.72 R8.1@3200,1732.27
NetC7_2: C7.2 R5.2 R6.1 | length 153.5
  Top Layer w10: R5.2@3050,1531.5 R6.1@3050,1608.04 3120.31,1608.04 C7.2@3125,1603.35
NetC8_2: C8.2 R8.2 | length 95.4
  Top Layer w10: C8.2@3125,1731.5 3127.95,1731.5 3147.4,1750.94 3148.93,1750.94 3169.24,1771.25 3190.53,1771.25 R8.2@3200,1780.72
NetC9_2: C9.2 U1.64 | length 110.9
  Top Layer w10: U1.64@2178.74,1091.46 2178.74,1066.26 2216.02,1028.98 2216.02,1009.76 C9.2@2225.79,1000
NetC10_2: C10.2 R10.2 | length 75.4
  Top Layer w10: R10.2@3550,1656.5 C10.2@3550,1731.89
NetC11_1: C11.1 R11.1 U1.11 | length 1640
  Top Layer w10: U1.11@2248.62,1358.19 3556.76,1358.19 3714.84,1516.27 3714.84,1519.76 C11.1@3726.57,1531.5 3726.57,1583.19 3702.5,1607.27 R11.1@3700,1607.27
NetC11_2: C11.2 R9.1 U1.12 | length 1563
  Top Layer w10: U1.12@2248.62,1377.87 3521.77,1377.87 3673.43,1529.53 C11.2@3673.43,1531.5 R9.1@3600,1531.5
NetC12_1: C12.1 R11.2 R12.1 | length 152.6
  Top Layer w10: C12.1@3625,1656.5 3625.77,1655.72 R11.2@3700,1655.72 R12.1@3700,1733.04
NetC12_2: C12.2 R9.2 R10.1 | length 154.1
  Top Layer w10: R9.2@3551.54,1531.5 3551.54,1606.5 R10.1@3550,1608.04 3620.31,1608.04 C12.2@3625,1603.35
NetC13_2: C13.2 R12.2 | length 95.7
  Top Layer w10: C13.2@3625,1731.5 3627.95,1731.5 3647.4,1750.94 3648.93,1750.94 3670.01,1772.03 3690.53,1772.03 R12.2@3700,1781.5
NetC14_1: C14.1 D1.1 D2.2 P1.2 R13.1 U1.62 U1.63 X1.1 | length 483
  Top Layer w10: D1.1@2068.31,700 D2.2@2068.31,776.5 ; D2.2@2073.15,770 R13.1@2165.94,770 ; C14.1@2171.46,845 2165.94,839.49 R13.1@2165.94,770 ; P1.2@2350,795 2285,730 2190.86,730 2183.79,737.07 2183.79,747.24 2165.94,765.08 R13.1@2165.94,770
NetC14_2: C14.2 P1.1 R13.2 U1.61 | length 218.6
  Top Layer w10: R13.2@2225,770 2225,841.46 C14.2@2228.54,845 2300,845 P1.1@2350,895
NetC15_2: C15.2 C16.1 U1.24 | length 220.8
  Top Layer w10: U1.24@2040.94,1526.5 2040.94,1589.68 2097.05,1645.79 C15.2@2100,1645.79 2174.21,1645.79 C16.1@2175,1645
NetC17_2: C17.2 U1.30 | length 163.1
  Top Layer w10: C17.2@1825,1626.5 1863.5,1626.5 1922.83,1567.17 U1.30@1922.83,1526.5
NetC18_1: C18.1 C19.2 U1.55 | length 263.1
  Top Layer w10: U1.55@2001.57,1091.46 2001.57,1046.57 1990,1035 1990,962.48 2025,927.48 C19.2@2025,926.5 2030.79,920.71 C18.1@2030.79,850
NetC20_2: C20.2 U1.26 | length 128.8
  Top Layer w10: U1.26@2001.57,1526.5 2001.57,1622.56 2024.02,1645 C20.2@2025,1645
NetC21_1: C21.1 U1.28 | length 125.3
  Top Layer w10: C21.1@1925,1636.38 1925,1633.5 1962.2,1596.3 U1.28@1962.2,1526.5
NetC22_2: C22.2 R15.2 | length 76.5
  Top Layer w10: R15.2@4050,1654.95 C22.2@4050,1731.5
NetC23_1: C23.1 R16.1 U1.9 | length 2159.3
  Top Layer w10: U1.9@2248.62,1318.82 4018.97,1318.82 4216.42,1516.27 4216.42,1519.76 C23.1@4228.15,1531.5 4228.15,1582.39 4202.5,1608.04 R16.1@4200,1608.04
NetC23_2: C23.2 R14.1 U1.10 | length 2082.5
  Top Layer w10: U1.10@2248.62,1338.5 3983.98,1338.5 4175,1529.53 C23.2@4175,1531.5 R14.1@4100,1531.5
NetC24_1: C24.1 R16.2 R17.1 | length 152.8
  Top Layer w10: C24.1@4125,1659.65 4128.15,1656.5 R16.2@4200,1656.5 R17.1@4200,1733.04
NetC24_2: C24.2 R14.2 R15.1 | length 150.6
  Top Layer w10: R14.2@4051.54,1531.5 4051.54,1604.95 R15.1@4050,1606.5 C24.2@4125,1606.5
NetC25_2: C25.2 R17.2 | length 95.7
  Top Layer w10: C25.2@4125,1731.5 4127.95,1731.5 4147.4,1750.94 4148.93,1750.94 4170.01,1772.03 4190.53,1772.03 R17.2@4200,1781.5
NetC26_2: C26.2 R19.2 | length 75.8
  Top Layer w10: C26.2@4100,880.71 R19.2@4100,956.5
NetC27_1: C27.1 R20.1 U1.7 | length 1845.5
  Top Layer w10: U1.7@2248.62,1279.45 3727.44,1279.45 3923.43,1083.46 C27.1@3923.43,1081.5 3935.16,1069.76 3935.16,1049.26 3950,1034.42 R20.1@3950,1004.95
NetC27_2: C27.2 R18.1 U1.8 | length 1894.3
  Top Layer w10: U1.8@2248.62,1299.13 3762.43,1299.13 3964.84,1096.72 3964.84,1093.23 C27.2@3976.57,1081.5 R18.1@4050.77,1081.5
NetC28_1: C28.1 R20.2 R21.1 | length 152.2
  Top Layer w10: R21.1@3950,879.95 R20.2@3950,956.5 4023.43,956.5 C28.1@4025,954.92
NetC28_2: C28.2 R18.2 R19.1 | length 153.2
  Top Layer w10: C28.2@4025,1008.07 4028.12,1004.95 R19.1@4100,1004.95 4099.23,1005.72 R18.2@4099.23,1081.5
NetC29_2: C29.2 R21.2 | length 95.5
  Top Layer w10: R21.2@3950,831.5 3959.47,840.97 3980.38,840.97 4001.07,861.65 4002.6,861.65 4022.05,881.1 C29.2@4025,881.1
NetC30_2: C30.2 R23.2 | length 76.6
  Top Layer w10: C30.2@3600,875 R23.2@3600,951.56
NetC31_1: C31.1 R24.1 U1.5 | length 1332.5
  Top Layer w10: U1.5@2248.62,1240.08 3262.68,1240.08 3425,1077.76 C31.1@3425,1075.79 3436.73,1064.06 3436.73,1042.03 3450,1028.77 R24.1@3450,999.24
NetC31_2: C31.2 R22.1 U1.6 | length 1381.2
  Top Layer w10: U1.6@2248.62,1259.76 3297.67,1259.76 3466.42,1091.02 3466.42,1087.52 C31.2@3478.15,1075.79 R22.1@3551.54,1075.79
NetC32_1: C32.1 R24.2 R25.1 | length 150.8
  Top Layer w10: R25.1@3450,875.02 R24.2@3450,950.79 C32.1@3525,950.79
NetC32_2: C32.2 R22.2 R23.1 | length 152.4
  Top Layer w10: C32.2@3525,1003.94 3528.92,1000.02 R23.1@3600,1000.02 R22.2@3600,1075.79
NetC33_2: C33.2 R25.2 | length 95.4
  Top Layer w10: R25.2@3450,826.56 3459.47,836.03 3480.76,836.03 3501.07,856.34 3502.6,856.34 3522.05,875.79 C33.2@3525,875.79
NetC34_2: C34.2 R27.2 | length 75.8
  Top Layer w10: C34.2@3100,880.71 R27.2@3100,956.5
NetC35_1: C35.1 R28.1 U1.3 | length 816.3
  Top Layer w10: U1.3@2248.62,1200.71 2807.76,1200.71 2925,1083.46 C35.1@2925,1081.5 2936.73,1069.76 2936.73,1047.74 2950,1034.47 R28.1@2950,1004.95 R28.1@2947.5,1004.95
NetC35_2: C35.2 R26.1 U1.4 | length 862.5
  Top Layer w10: U1.4@2248.62,1220.39 2842.75,1220.39 2966.42,1096.72 2966.42,1093.23 C35.2@2978.15,1081.5 R26.1@3051.54,1081.5
NetC36_1: C36.1 R28.2 R29.1 | length 151.5
  Top Layer w10: R29.1@2950,879.95 R28.2@2950,956.5 C36.1@3025,956.5
NetC36_2: C36.2 R26.2 R27.1 | length 153.5
  Top Layer w10: C36.2@3025,1009.65 3029.69,1004.95 R27.1@3100,1004.95 R26.2@3100,1081.5
NetC37_2: C37.2 R29.2 | length 95.4
  Top Layer w10: R29.2@2950,831.5 2959.47,840.97 2980.78,840.97 3001.07,861.26 3002.6,861.26 3022.05,880.71 C37.2@3025,880.71
NetC38_2: C38.2 R31.2 | length 75.8
  Top Layer w10: C38.2@2600,881.5 R31.2@2600,957.27
NetC39_1: C39.1 R32.1 U1.1 | length 294.9
  Top Layer w10: U1.1@2248.62,1161.34 2343.98,1161.34 2421.85,1083.46 C39.1@2421.85,1081.5 2433.58,1069.76 2433.58,1051.61 2450,1035.19 R32.1@2450,1005.72
NetC39_2: C39.2 R30.1 U1.2 | length 346.2
  Top Layer w10: U1.2@2248.62,1181.02 2378.97,1181.02 2463.27,1096.72 2463.27,1093.23 C39.2@2475,1081.5 R30.1@2551.54,1081.5
NetC40_1: C40.1 R32.2 R33.1 | length 153.9
  Top Layer w10: R33.1@2450,879.95 R32.2@2450,957.27 2521.08,957.27 C40.1@2525,953.35
NetC40_2: C40.2 R30.2 R31.1 | length 155.3
  Top Layer w10: C40.2@2525,1006.5 2530.11,1011.61 2538.39,1011.61 2544.28,1005.72 R31.1@2600,1005.72 R30.2@2600,1081.5
NetC41_2: C41.2 R33.2 | length 95.4
  Top Layer w10: R33.2@2450,831.5 2459.47,840.97 2480.78,840.97 2501.07,861.26 2502.6,861.26 2522.05,880.71 C41.2@2525,880.71
NetC48_2: C48.2 C49.2 FB1.1 U1.48 U1.50 | length 451.5
  Top Layer w10: FB1.1@1750,1076.5 1750,1075.51 1789.45,1036.06 1789.45,1017.17 C48.2@1805.12,1001.5 ; C49.2@1799.21,926.5 1799.21,995.59 C48.2@1805.12,1001.5 ; U1.48@1813.58,1161.34 C48.2@1813.58,1010.94 ; U1.50@1902.91,1061.55 1902.91,1057.14 1891.72,1045.94 1890,1045.94 1889.06,1045 1848.62,1045 1821.77,1018.15 1820.79,1018.15 C48.2@1813.58,1010.94 ; C48.2@1805.12,1001.5 1813.58,1009.96 C48.2@1813.58,1010.94
NetC52_1: C52.1 J6.2 L1.2 P4.2 U2.4 | length 391.7
  Top Layer w20: J6.2@510,1040.49 J6.2@510,1040.79 J6.2@510,1040.98 J6.2@510,1041.18 J6.2@510,1041.38 J6.2@510,1041.48 P4.2@510,1130 ; L1.2@678.69,1129.18 777.83,1129.18 C52.1@832.01,1075 ; U2.4@805.51,962.4 805.51,1048.5 C52.1@832.01,1075 ; C52.1@834.88,1075 C52.1@832.01,1075
NetC53_1: C53.1 J5.2 U2.1 U2.3 | length 465.8
  Top Layer w20: U2.1@900,887.6 1057.42,887.6 J5.2@1109.82,940 1070.16,940 1039.74,970.41 1007.96,970.41 C53.1@1000,978.37 ; U2.3@900,962.4 984.03,962.4 C53.1@1000,978.37 ; C53.1@1000,980.27 C53.1@1000,978.37
NetC55_2: C55.2 J11.2 U3.10 | length 234
  Top Layer w15: J11.2@983.44,785.25 J11.2@983.68,785
  Top Layer w20: U3.10@880.12,639.37 878.31,641.18 878.31,741.69 C55.2@875,745 945.94,745 982.01,781.06 J11.2@982.01,785
NetC56_1: C56.1 J15.1 U4.1 | length 186.4
  Top Layer w15: J15.1@1604.31,715 1604.66,714.66 1604.66,604.95 C56.1@1605,604.61 1606.1,603.5 1678.7,603.5 U4.1@1679.8,602.4
NetC57_1: C57.1 U4.4 | length 98.6
  Top Layer w15: U4.4@1780.2,527.6 1785.12,527.6 1799.73,512.98 C57.1@1799.73,440
NetC58_1: C58.1 J16.1 U4.5 | length 184.4
  Top Layer w15: U4.5@1780.2,602.4 1781.4,601.2 1853.8,601.2 C58.1@1855,600 J16.1@1855,708.52 J16.1@1855,708.62
NetC59_2: C59.2 U6.23 Y1.1 | length 90.7
  Top Layer w10: C59.2@500.83,1801.38 510,1792.2 C59.2@510,1791.42 580.28,1791.42 Y1.1@585,1786.69
NetC60_2: C60.2 U6.24 Y1.3 | length 169.6
  Top Layer w10: Y1.3@640.12,1830 C60.2@710,1830 719.17,1839.17 719.17,1847.48 767.8,1896.1 U6.24@777.48,1896.1
NetC61_1: C61.1 U6.2 Y2.1 | length 426.2
  Top Layer w10: U6.2@962.52,1915.79 1059.21,1915.79 1080,1895 1080,1850 1140,1790 C61.1@1220,1790 1220,1848.35 1236.65,1865 Y2.1@1245,1865
NetC62_1: C62.1 U6.3 Y2.2 | length 396.4
  Top Layer w10: U6.3@962.52,1935.47 1059.24,1935.47 1084.71,1910 1175.83,1910 1229.25,1963.43 1242.81,1963.43 1226.16,1980.08 C62.1@1226.16,2040
NetC65_2: C65.2 L2.1 U6.19 | length 187.9
  Top Layer w10: L2.1@695,2100.24 C65.2@695,1995 695.39,1994.61 777.4,1994.61 U6.19@777.48,1994.53
NetC66_2: C66.2 U6.1 | length 89.5
  Top Layer w10: U6.1@962.52,1896.1 1030.04,1896.1 1045,1881.14 C66.2@1045,1880.35
NetC67_1: C67.1 U6.22 | length 183.9
  Top Layer w10: C67.1@600,1920 725,1920 740.47,1935.47 U6.22@777.48,1935.47
NetC68_2: C68.2 L3.2 TP10.1 U6.30 | length 161.5
  Top Layer w10: L3.2@889.88,1715 889.88,1784.88 C68.2@895,1790 899.53,1794.53 U6.30@899.53,1872.48
NetC72_2: C72.2 P12.10 R46.1 SW2.1 SW2.2 U1.36 U6.16 | length 455
  Top Layer w10: R46.1@1420,2050 C72.2@1420,2146.69 ; SW2.2@1560.87,2011.42 SW2.1@1919.13,2011.42
NetDS1_1: DS1.1 R35.1 | length 267
  Top Layer w10: R35.1@689.2,485.03 934.97,485.03 DS1.1@950,470
NetDS1_2: DS1.2 U3.6 | length 79.7
  Top Layer w10: U3.6@880.12,560.63 926.3,560.63 DS1.2@950,536.93
NetDS2_1: DS2.1 R34.1 | length 358.8
  Top Layer w10: R34.1@689.2,400 952.48,400 DS2.1@1020,467.52
NetDS2_2: DS2.2 U3.7 | length 159.8
  Top Layer w10: U3.7@880.2,580.39 U3.7@880.12,580.32 972.17,580.32 DS2.2@1020,532.48
NetDS3_1: DS3.1 R44.2 TP6.1 U1.39 U6.10
NetDS3_2: DS3.2 J17.2 J21.1 J22.1 P14.1 U6.28 | length 253.6
  Top Layer w10: DS3.2@1091.93,1075 J17.2@1166.83,1075 J17.2@1166.93,1075 J17.2@1167.13,1075 J17.2@1167.32,1075 J17.2@1167.52,1075 J17.2@1167.82,1075 J17.2@1168.01,1075 J17.2@1168.31,1075 J17.2@1168.8,1075 J17.2@1169.29,1075 ; P14.1@1475,1550 1475,1551.38 J21.1@1598.62,1675
NetDS4_1: DS4.1 R45.2
NetDS4_2: DS4.2 J18.2 | length 74.9
  Top Layer w10: J18.2@1285.14,1075 DS4.2@1360.04,1075
NetJ1_1: J1.1 J2.2 U1.52 | length 53.7
  Top Layer w10: J2.2@1825.08,836.5 J2.2@1825.57,836.5 J2.2@1826.06,836.5 J2.2@1826.56,836.5 J2.2@1827.05,836.5 J2.2@1827.54,836.5 J2.2@1828.03,836.5 J2.2@1828.52,836.5 J2.2@1828.82,836.5 J2.2@1829.02,836.5 J2.2@1829.31,836.5 J2.2@1829.51,836.5 J2.2@1829.7,836.5 J2.2@1829.9,836.5 J2.2@1830,836.5 J1.1@1878.52,836.5 J1.1@1878.62,836.5 J1.1@1878.82,836.5
NetJ11_1: J11.1 P9.1 SW1.2 | length 396.8
  Top Layer w15: J11.1@1004.35,785 J11.1@1004.84,785 J11.1@1005.33,785 J11.1@1005.83,785 J11.1@1006.32,785 J11.1@1006.81,785
  Top Layer w20: J11.1@1006.81,785 J11.1@1007.11,785 J11.1@1007.3,785 J11.1@1007.6,785 J11.1@1007.8,785 J11.1@1007.99,785 J11.1@1008.19,785 J11.1@1008.29,785 1050,785 1125,710 1237.32,710 1295,767.68 SW1.2@1295,793.27 SW1.2@1295,818.86
NetJ17_1: J17.1 P13.3 U6.26 | length 202.3
  Top Layer w10: P13.3@1125,1250 1125,1195.07 1190.95,1129.12 J17.1@1190.95,1075
NetJ18_1: J18.1 P13.2 U6.27 | length 190.7
  Top Layer w10: P13.2@1225,1250 1225,1128.39 1262.99,1090.39 J18.1@1262.99,1075
NetJ19_2: J19.2 U1.38
NetJ20_2: J20.2 U1.37
NetJ21_2: J21.2 U1.35 U4.3
NetL1_1: L1.1 U2.5 | length 224.6
  Top Layer w20: L1.1@675,1000 676.85,998.15 676.85,916.95 706.2,887.6 U2.5@805.51,887.6
NetL3_1: L3.1 L4.2
NetL4_1: 
NetP12_2: P12.2 U6.18
NetP12_4: P12.4 U6.17
NetR36_1: R36.1 U3.4 | length 191.9
  Top Layer w10: R36.1@625,648.82 627.95,648.82 638.7,638.07 638.7,621.3 645,615 735,615 745,605 745,590 754.61,580.39 769.8,580.39 U3.4@769.88,580.32
NetR37_2: R37.2 U3.5 | length 62.6
  Top Layer w10: R37.2@715,575 715,572.05 726.42,560.63 U3.5@769.88,560.63
NetR38_2: R38.2 U3.8 | length 119.9
  Top Layer w10: U3.8@880.12,600 972.95,600 990,617.05 R38.2@990,620
NetR39_2: R39.2 U3.9 | length 142.2
  Top Layer w10: U3.9@880.12,619.68 917.05,619.68 989.41,692.05 R39.2@989.41,695
NetR42_1: R42.1 R43.1 U6.4 | length 240.5
  Top Layer w10: U6.4@962.52,1955.16 1120.71,1955.16 R42.1@1130,1945.87 R43.1@1130,2015
NetTP1_1: 
NetTP2_1: 
NetTP4_1: 
NetTP5_1: TP1.1 U1.47 U6.5
NetTP6_1: TP2.1 U1.34 U6.6
PwrDown_int2_aux2: TP4.1 U1.43 U6.7
SCL: R41.1 TP9.1 U5.13 U6.13 | length 95.9
  Top Layer w10: R41.1@1205,1403.7 U5.13@1205,1499.57
SDA: R40.1 TP8.1 U5.14 U6.12 | length 108.4
  Top Layer w10: U5.14@1224.68,1499.57 1224.68,1435 1255,1404.69 R40.1@1255,1403.7
Start_clk_aux1: J19.1 J20.1 P14.2 U6.15 | length 232.9
  Top Layer w10: P14.2@1475,1450 1550,1525 J19.1@1598.52,1525 J19.1@1598.62,1525 J19.1@1598.82,1525 J19.1@1599.02,1525 1599.02,1575.91 1605.81,1582.7 J20.1@1605.81,1600
SWO: P12.6 U6.14
V_bat: R42.2 TP5.1 U1.40 U6.8
VBAT: J5.1 J15.2 SW1.1 | length 553.3
  Top Layer w20: J5.1@1136.1,940 1136.1,936.08 1136.14,936.05 1140.05,936.05 1181.1,895 1317.28,895 1393.43,818.86 SW1.1@1393.43,793.27 1500.65,793.27 J15.2@1578.92,715
VuC: C63.2 C64.1 C69.2 C70.2 C71.1 J6.1 L4.1 P4.1 P12.1 R40.2 R41.2 R44.1 R45.1 R46.2 U5.5 U5.8 U5.12 U6.9 U6.25 U6.31 U6.32 | length 149.7
  Top Layer w10: C70.2@795,1815 795,1815.79 801.1,1821.89 U6.25@801.1,1872.48 ; U6.9@938.9,2057.52 938.9,2102.4 970,2133.5 C69.2@970,2134.29
VUSB: C54.2 J12.1 R34.2 R35.2 R36.2 U3.2 | length 627
  Top Layer w15: J12.1@535.43,701.18 535.81,700.81 580,700.81 ; R34.2@625,400 R35.2@625,485.03 625,585 580,630 580,700.81 ; U3.2@769.88,619.68 767.3,622.26 752.74,622.26 740,635 740,695 730,705 700.12,705 C54.2@700,705.12 697.44,702.56 627.56,702.56 R36.2@625,700 624.19,700.81 580,700.81
pads on no net: J12.2 J12.3 J12.4 P12.7 P12.8 SW1.3 SW1.4 SW1.5 SW1.6 U1.17 U1.18 U1.27 U1.29 U1.42 U1.44 U1.45 U1.46 U1.60 U3.1 U5.10 U5.11 U6.21 X1.

## Text inside footprints (layer, text, board x,y; h text height)
J12: Top 3D Body "PCB Edge" at 346.26,693.31 h16 r270
X1: Mechanical 1 "PCB Edge / inside this area" at 6004.88,1392.87 h31.5